# KiCad board PC110.kicad_pcb (continued)
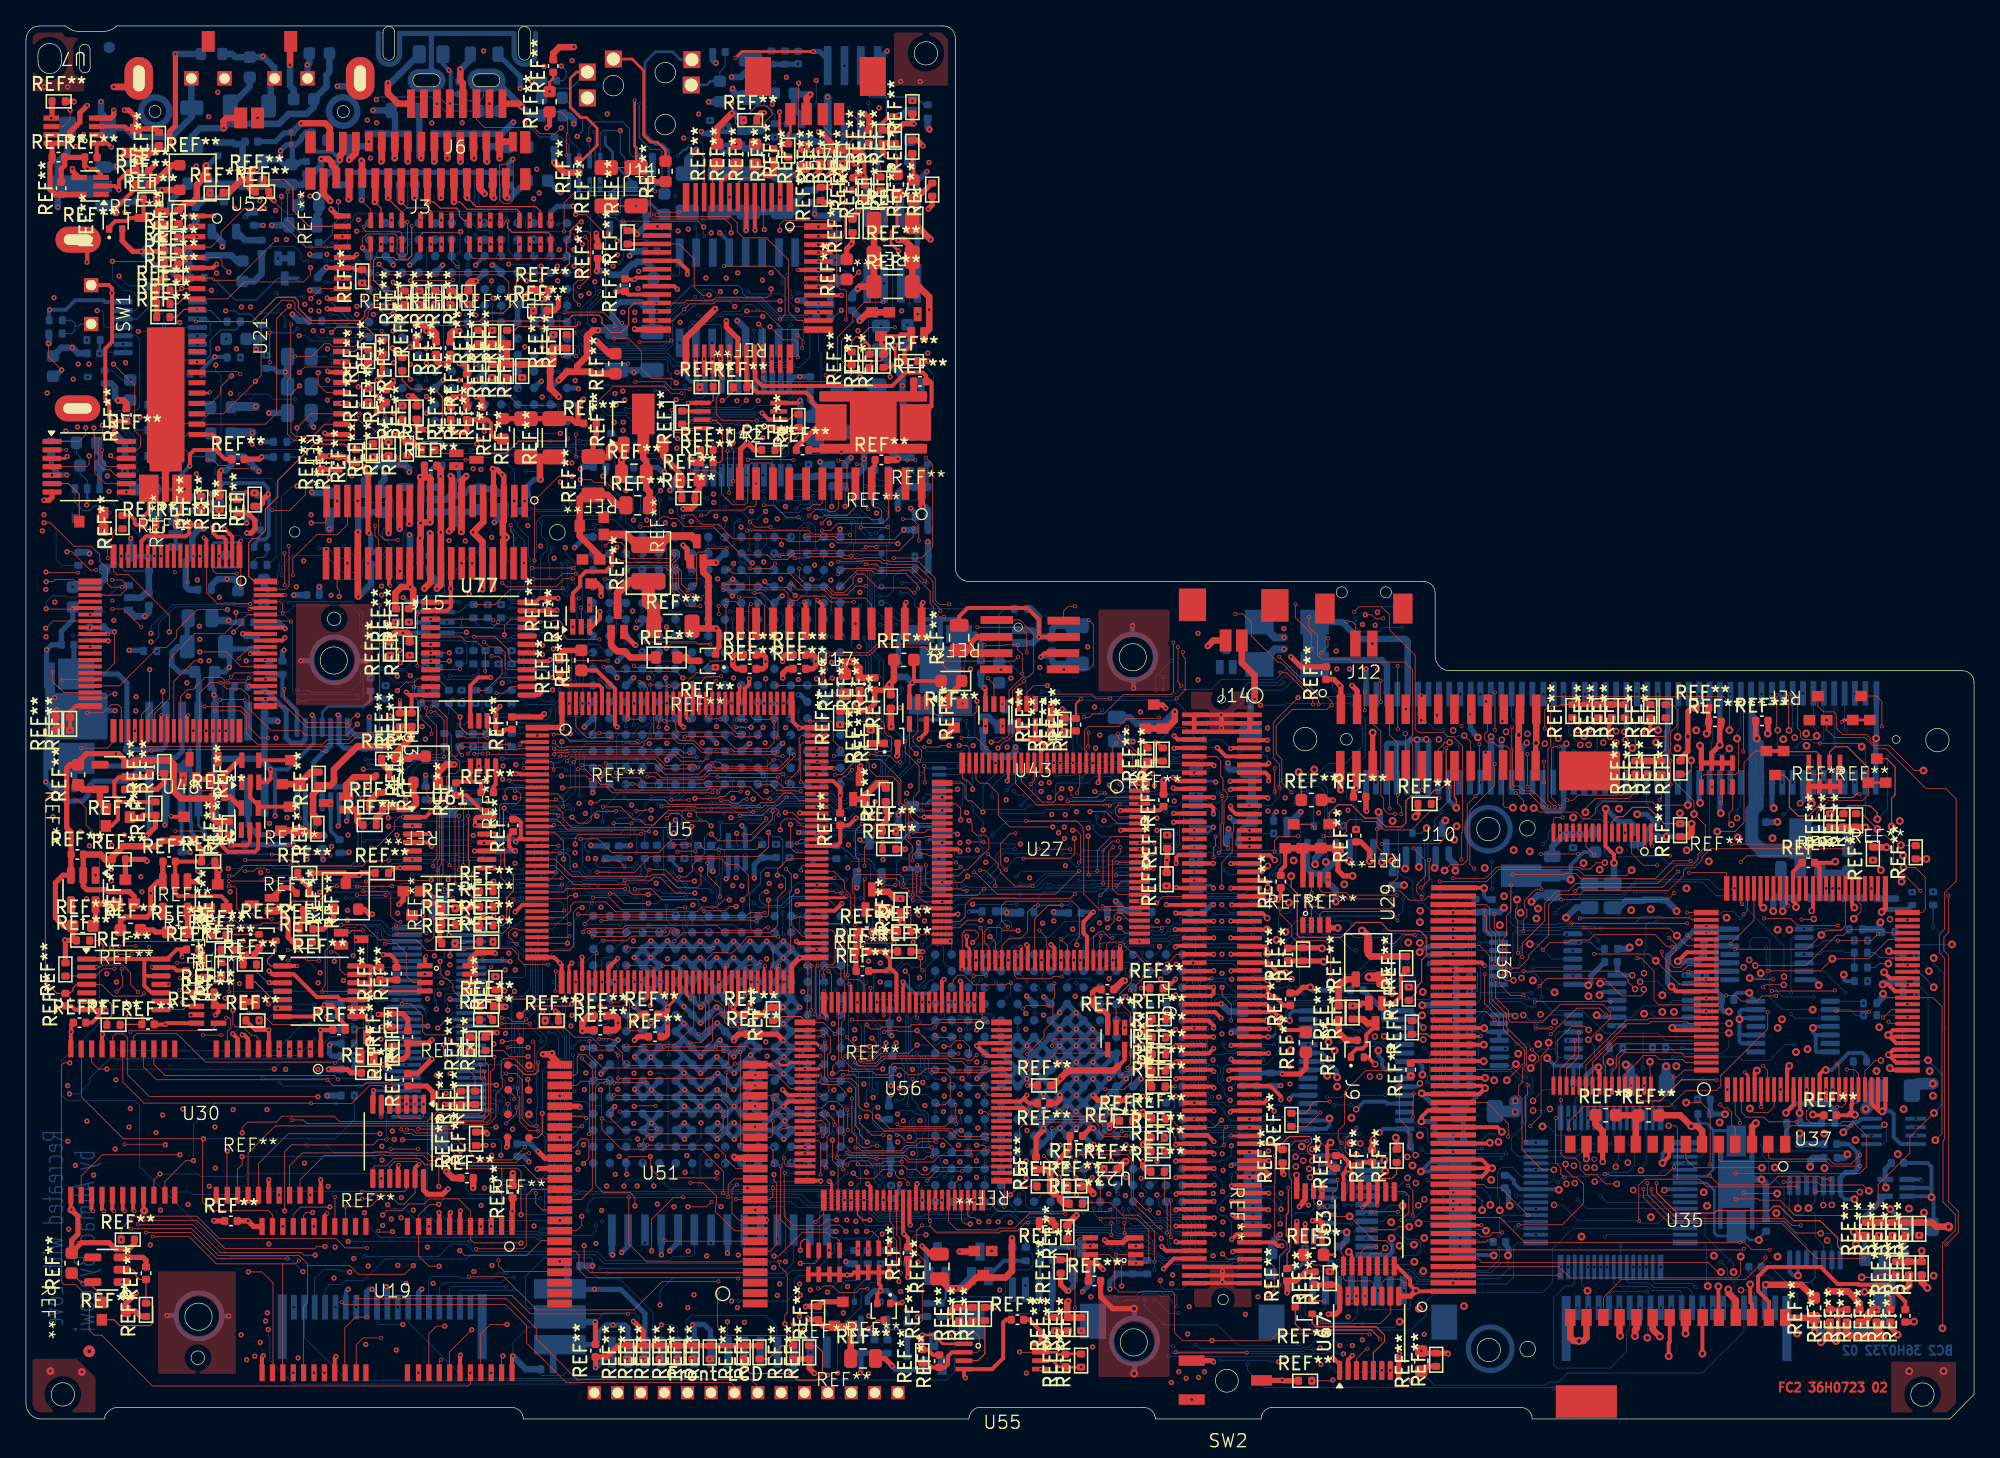
[diagram p0: board, top side]
## Routing (per net, layer and track width the routed paths; a pad name or vN(x,y) marks a point on that pad's centre or on a via; arc(x,y) is an arc through that point) (continued)
  BC2 w0.05: REF**#666.1 23.16,81.86 23.34,81.68 24.73,81.68 24.9,81.84 v1(25.56,81.84) ; v5(118.02,52.43) 117.63,52.04 J8.69 ; U23.D9 30.72,81.99 30.84,82.11 v1(30.84,82.52)
  BC2 w0.5: v3(109.33,46.12) 109.09,45.88 REF**#843.3
VGA_Vsync: length 148.9
  FC2 w0.05: v2(43.65,77.74) 43.65,77.99 45.23,79.57 49.16,79.57 49.69,79.04 v2(50.49,79.04)
  FC2 w0.08: REF**#329.1 28.98,80.05 29.67,79.36 31.47,79.36 32.07,78.76 32.07,76.03 32.5,75.6 34.92,75.6 35.23,75.29 35.23,74.94 35.74,74.43 37.02,74.43 37.95,75.36 41.56,75.36 v2(41.75,75.55)
  FC1 w0.05: v2(50.49,79.04) 50.51,79.06 50.51,79.87 50.58,79.94 50.58,83.44 51.25,84.11 51.25,86.27 52.04,87.06 52.77,87.06 52.95,86.88 v1(53.49,86.88) ; v2(43.65,77.74) 41.75,75.84 v2(41.75,75.55)
  BC1 w0.05: v11(116.88,55.86) 115.14,54.12 109.69,54.12 108.82,53.25 105.54,53.25 v11(102.47,50.18) 102.47,50.5 103.07,51.1 103.07,53.18 100.01,56.24 97.43,56.24 97.15,55.96 96.3,55.96 96.14,56.12 96.14,61.76 95.47,62.43 90.55,62.43 89.52,63.46 86.49,63.46 85.49,62.46 74.34,62.46 v11(74.32,62.48) ; v1(53.49,86.88) 53.53,86.88 54.42,87.77 54.45,87.77 54.52,87.84 56.23,87.84 56.52,88.13 56.94,88.13 57.23,87.84 60.29,87.84 62.15,85.98 63.07,85.98 63.26,85.79 63.26,80.42 63.93,79.75 64.26,79.75 65.11,78.9 65.11,77.49 65.72,76.88 65.72,72.08 66.48,71.32 68.25,71.32 68.56,71.01 68.56,69.9 68.07,69.41 67.58,69.41 66.76,68.59 66.76,65.36 67.18,64.94 67.18,64.17 67.35,64 v11(67.35,63.67) ; v11(99.42,48.09) 99.42,48.91 v11(100.31,49.8)
  BC2 w0.05: v11(74.32,62.48) 74.28,62.44 68.73,62.44 68.44,62.73 68.44,63.15 67.92,63.67 v11(67.35,63.67) ; v11(102.47,50.18) 102.09,49.8 v11(100.31,49.8)
  BC2 w0.08: v11(99.42,48.09) 99.19,47.86 REF**#833.3
YellowWire1_2: length 125.7
  FC2 w0.05: v2(53.55,47.69) 54.11,47.69 54.38,47.42 54.89,47.42 55.23,47.76 v2(55.51,47.76) ; v2(47.76,59.88) 51.61,59.88 51.78,59.71 52.7,59.71 v2(52.71,59.7) ; v2(99.71,23.61) 98.64,22.54 REF**#35.1
  FC1 w0.05: v2(52.71,59.7) 53.11,59.3 v2(53.11,57.92) 52.84,57.65 52.84,55.2 53.89,54.15 53.89,48.74 53.61,48.46 53.61,48.12 53.55,48.06 v2(53.55,47.69) ; v2(47.06,61.46) 47.47,61.46 47.76,61.17 v2(47.76,59.88) ; v2(55.51,47.76) 55.51,47.34 55.72,47.13 55.72,43.35 v1(57.11,41.96) ; v2(99.71,23.61) 100.96,23.61 101.82,22.75 105.16,22.75 106,21.91 106,19.72 106.19,19.53 v3(106.8,19.53)
  IC1 w0.05: v1(57.11,41.96) 57.7,42.55 61.9,42.55 62.98,41.47 67.55,41.47 67.91,41.11 86.15,41.11 86.22,41.18 87.74,41.18 88.05,41.49 96.06,41.49 96.94,40.61 108.21,40.61 108.39,40.43 111.36,40.43 112.82,38.98 114.17,38.98 114.24,39.05 115.08,39.05 v3(115.12,39.01)
  IC4 w0.05: v3(115.12,39.01) 115.12,38.27 110.56,33.71 110.56,21.12 108.97,19.53 v3(106.8,19.53)
YMF_AO: length 95.2
  FC2 w0.05: v2(39.06,29.09) 39.19,28.96 39.19,26.97 38.99,26.77 38.61,26.77 37.62,27.76 36.83,27.76 36.82,27.75 36.78,27.75 36.6,27.57 36.6,26.26 36.72,26.14 36.72,25.57 36.2,25.05 36.2,23.28 35.63,22.71 33.21,22.71 32.84,22.34 v2(30.22,22.34) ; v2(61.29,69.02) 61.73,69.46 64.96,69.46 65.09,69.33 65.68,69.33 65.91,69.56 65.91,70 65.66,70.25 65.39,70.25 65.14,70.5 U17.4 ; v2(28.09,20.8) v2(30.2,20.8) ; v2(51.75,50.2) 51.51,50.44 50.5,50.44 50.4,50.34 49.32,50.34 49.28,50.38 49.26,50.38 48.63,51.01 41.98,51.01 v2(41.67,50.7)
  FC2 w0.3: REF**#203.11 28.67,19.53 v2(28.7,19.56) ; REF**#288.1 65.41,73.54 65.14,73.27 U17.4
  FC1 w0.05: v2(28.7,19.56) 28.7,19.92 28.09,20.53 v2(28.09,20.8) ; v2(41.67,50.7) 40.41,50.7 39.99,50.28 39.99,38.29 39.33,37.63 39.33,32.1 38.98,31.75 38.98,30.9 39.12,30.76 39.12,29.46 39.06,29.4 v2(39.06,29.09) ; v2(30.22,22.34) 30.2,22.32 v2(30.2,20.8) ; v2(61.29,69.02) 60.96,68.69 60.96,67.05 61.31,66.7 61.31,64.45 61.88,63.88 61.88,61.63 61.57,61.32 55.29,61.32 54.26,60.29 52.31,60.29 52.14,60.12 52.14,58.13 52.4,57.87 52.4,54.84 52.55,54.69 52.55,51.77 52.1,51.32 52.1,50.54 51.76,50.2 v2(51.75,50.2)
YMF_CS#: length 98.2
  FC2 w0.05: v2(51.11,51.32) 50.67,51.32 50.39,51.6 41.71,51.6 41.65,51.54 40.78,51.54 v2(40.67,51.65) ; v2(60,68.04) 60.21,68.04 60.26,67.99 62.3,67.99 62.51,67.78 66.88,67.78 v1(67.62,68.52) ; v2(38.43,20.95) 37.44,19.96 34.8,19.96 32.72,22.04 30.06,22.04 29.8,22.3 v2(29.36,22.3) ; U17.7 61.34,70.61 61.21,70.48 60.64,70.48 60.3,70.14 v2(60.27,70.14)
  FC1 w0.05: v2(60.27,70.14) 60,69.87 v2(60,68.04) 60,64.53 60.24,64.29 60.51,64.29 61.25,63.55 61.25,62.32 60.82,61.89 54.91,61.89 54.72,61.7 52.47,61.7 51.56,60.79 51.56,57.61 51.82,57.35 51.82,53.28 51.29,52.75 51.29,51.84 51.11,51.66 v2(51.11,51.32) ; v2(38.43,20.95) 38.43,22.65 37.9,23.18 37.84,23.18 37.37,23.65 36.66,23.65 36.44,23.87 36.44,24.89 36.7,25.15 37.93,25.15 38.19,25.41 38.19,31.93 38.75,32.49 38.75,38.03 39.41,38.69 39.41,50.89 40.17,51.65 v2(40.67,51.65) ; v2(29.36,22.3) 29.36,24.21 v2(29.32,24.25)
  BC2 w0.5: v1(67.62,68.52) REF**#616.2
YMF_D0: length 65.3
  FC2 w0.05: v1(57.39,87.09) 57.4,87.08 57.4,86.73 57.07,86.4 53.13,86.4 52.93,86.2 50.89,86.2 50.69,86 v2(48.59,86) ; U17.10 57.54,73.55 57.42,73.67 55.86,73.67 55.6,73.41 55.6,70.7 55.35,70.45 54.42,70.45 53.57,71.3 53.57,72.62 53.08,73.11 51.35,73.11 v2(51.28,73.04)
  FC2 w0.08: v2(48.59,86) 46.85,86 46.42,85.57 46.42,84.6 46.41,84.59 46.41,84.29 45.85,83.73 45.08,83.73 44.36,84.45 44.36,84.83 44.12,85.07 42.12,85.07 41.66,84.61 35.55,84.61 REF**#370.2
  FC1 w0.05: v2(48.59,86) 49.44,85.15 49.44,74.28 50.68,73.04 v2(51.28,73.04)
  BC1 w0.05: v1(57.39,87.09) 59.62,87.09 59.87,86.84 59.87,85.98 60.38,85.47 v11(60.38,83.68)
  BC2 w0.05: U26.22 57.5,80.92 57.59,81.01 59.57,81.01 60.38,81.82 v11(60.38,83.68)
YMF_D1: length 137.1
  FC2 w0.05: v2(27.64,77.32) 27.64,77.17 27.31,76.84 26.51,76.84 25.75,77.6 25.48,77.6 25.3,77.42 25.3,75.62 25.1,75.42 20.62,75.42 20.13,75.91 20.13,79.98 20.38,80.23 20.38,84.31 v2(20.42,84.35) ; v2(21.51,91.03) 20.15,92.39 v2(20.15,94.55) ; v2(20.42,99.2) v2(20.42,98.2) ; v2(56.24,72.08) 56.24,70.48 56.08,70.32 55.59,70.32 55.31,70.04 52.79,70.04 52.38,69.63 v2(52,69.63)
  FC1 w0.05: v2(21.51,91.03) 19.74,89.26 19.74,85.03 v2(20.42,84.35) ; v2(20.15,94.55) 20.15,95.96 20.42,96.23 v2(20.42,98.2) ; v2(35.92,83.89) 35.92,84.43 34.73,85.62 34.73,85.81 34.33,86.21 33.97,86.21 33.77,86.01 33.77,79.83 32,78.06 30.22,78.06 29.89,77.73 28.78,77.73 28.59,77.92 27.98,77.92 27.64,77.58 v2(27.64,77.32) ; v2(52,69.63) 52,70.01 50.48,71.53 50.48,72.13 50,72.61 50,73.4 49.27,74.13 49.27,84.67 v2(48.59,85.35) 48.1,85.84 48.1,86.18 49.07,87.15 49.07,93.1 48.79,93.38 47.81,93.38 47.52,93.09 46.63,93.09 46.11,93.61 46.11,99.7 45.67,100.14 42.77,100.14 42.07,100.84 v1(42.07,104.68) 39.29,104.68 38.45,103.84 38.07,103.84 37.22,104.69 30.5,104.69 ; 30.5,104.69 30.56,104.69 ; 30.5,104.69 29.58,104.69 28.69,103.8 28.69,100.43 27.46,99.2 v2(20.42,99.2) ; v2(56.24,72.08) 56.24,74.41 56.06,74.59 56.06,78.14 v1(56.39,78.47)
  BC2 w0.05: v1(56.39,78.47) 56.85,78.93 U26.21
YMF_D2: length 79.3
  FC2 w0.05: v2(53.98,63.09) 54.06,63.01 54.65,63.01 54.99,62.67 U17.13 ; v2(43.02,94.92) 43.03,94.91 v2(47.76,94.91) ; v2(43.06,91.07) 43.29,90.84 43.29,88.18 42.87,87.76 42.55,87.76 42.15,87.36 42.15,86.33 42.6,85.88 v2(42.6,85.86) ; v1(58.09,86.15) 53.16,86.15 52.94,85.93 51.13,85.93 v2(50.71,85.51) 49.85,84.65 v2(48.59,84.65)
  FC2 w0.08: REF**#283.2 37.64,83.89 37.94,84.19 42.35,84.19 v2(42.59,84.43)
  FC1 w0.05: v2(43.06,91.07) 43.06,91.46 43.16,91.56 43.16,93.88 43.02,94.02 v2(43.02,94.92) ; v2(47.76,94.91) 47.76,94.35 48.24,93.87 48.59,93.87 49.22,93.24 49.22,87 v2(50.71,85.51) ; v2(42.6,85.86) 42.59,85.85 v2(42.59,84.43) ; v2(48.59,84.65) 49.08,84.16 49.08,73.9 49.85,73.13 49.85,72.31 50.16,72 50.16,71.27 51.04,70.39 51.04,69.94 51.69,69.29 51.69,66 52.52,65.17 53.54,65.17 53.98,64.73 v2(53.98,63.09)
  BC1 w0.05: v1(58.09,86.15) 58.6,85.64 58.6,81.79 v11(59.12,81.27)
  BC2 w0.05: U26.20 56.2,80.92 56.43,81.15 57.2,81.15 57.25,81.2 58.77,81.2 58.84,81.27 v11(59.12,81.27)
YMF_D3: length 108.8
  FC2 w0.05: v2(36.51,82.06) 34.28,82.06 34.03,82.31 34.03,84.04 33.82,84.25 31.93,84.25 31.09,85.09 29.51,85.09 v2(28.7,84.28) ; v2(57.35,68.73) 56.16,68.73 v2(55.76,69.13) ; v2(20.73,81.88) 22,81.88 22.98,82.86 23.39,82.86 23.59,82.66 25.36,82.66 v2(26.23,83.53) ; v2(56.32,62.77) 56.24,62.69 U17.14 ; v2(54.48,72.28) 54.48,74.65 54.06,75.07 54.06,75.63 54.15,75.72 v1(54.15,76.26)
  FC1 w0.05: v2(51.59,81.7) 51.59,79.19 51.67,79.11 51.67,74.67 52.36,73.98 52.36,73.06 53.14,72.28 v2(54.48,72.28) 54.68,72.28 54.87,72.09 54.87,69.47 55.21,69.13 v2(55.76,69.13) ; v2(56.32,62.77) 56.32,63.22 56.4,63.3 56.4,64.95 57.35,65.9 v2(57.35,68.73) ; v2(36.51,82.06) 40,82.06 40.62,82.68 v2(40.62,83.55) ; v2(26.23,83.53) 27.59,83.53 27.84,83.78 27.84,84.05 28.07,84.28 v2(28.7,84.28) ; v1(16.21,82.47) 16.8,81.88 v2(20.73,81.88)
  IC3 w0.05: v1(54.15,76.26) 54.15,77.03 54.08,77.1 54.08,77.14 53.67,77.55 31.63,77.55 31.02,76.94 17.9,76.94 16.22,78.62 16.22,79.97 16.15,80.04 16.13,80.02 15.68,80.02 15.68,80.06 15.44,80.3 15.44,80.63 15.45,80.63 15.67,80.85 16.22,80.85 16.22,82.46 v1(16.21,82.47)
  BC1 w0.05: v11(55.48,79.23) 54.84,79.23 54.14,78.53 54.14,76.25 v1(54.15,76.26)
  BC2 w0.05: v11(55.48,79.23) 55.48,79.87 55.55,79.93
YMF_D4: length 71.4
  FC2 w0.05: v2(48.47,94.6) 42.34,94.6 41.45,93.71 v2(41.45,91.51) ; v2(52.24,80.4) v2(52.24,81.7) ; v2(42.61,87.21) 42.63,87.21 43.49,88.07 43.49,91.31 43.27,91.53 v2(42.6,91.53) ; U17.15 57.54,62.79 56.67,63.66 v2(56.11,63.66)
  FC1 w0.05: v2(56.11,63.66) 56.11,65.07 56.38,65.34 56.38,69.01 55.88,69.51 55.49,69.51 55.35,69.65 55.35,72.11 54.64,72.82 53.37,72.82 52.61,73.58 52.61,74.1 51.93,74.78 51.93,78.85 52.24,79.16 v2(52.24,80.4) ; v2(48.47,94.6) 48.86,94.6 49.45,94.01 49.45,89.07 51.08,87.44 54.1,87.44 v1(54.67,86.87) 53.95,86.15 52.83,86.15 52.27,85.59 52.27,81.73 v2(52.24,81.7) ; v2(42.6,91.53) 41.47,91.53 v2(41.45,91.51) ; v2(42.61,87.21) 42.25,86.85 v2(42.25,83.71)
  BC1 w0.05: v11(54.9,80.82) 54.22,81.5 54.22,82.27 53.5,82.99 53.5,85.7 v1(54.67,86.87)
  BC2 w0.05: U26.18 54.9,79.94 v11(54.9,80.82)
YMF_D5: length 87.8
  FC2 w0.05: v1(52.2,91.86) 51.75,92.31 v2(45.99,92.31) ; v2(52.89,81.7) 52.89,80.21 53.05,80.05 53.22,80.05 53.52,79.75 53.52,79.05 53.16,78.69 53.16,77.43 53.67,76.92 v2(56.29,76.92) ; v2(45.34,84.21) 45.34,84.43 44.47,85.3 v2(41.53,85.3)
  FC2 w0.3: v2(58.92,62.78) 58.79,62.65 U17.16
  FC1 w0.05: v2(45.34,84.21) 45.34,85.81 45.99,86.46 v2(45.99,92.31) ; v2(58.92,62.78) 58.92,63.11 58.68,63.35 58.68,63.89 58.58,63.99 58.58,64.68 58.59,64.69 58.59,69.43 57.94,70.08 57.94,73.31 56.29,74.96 v2(56.29,76.92) ; v2(41.53,85.3) 41.53,84.89 41.06,84.42 37.95,84.42 35.91,82.38 v2(35.91,80.25) ; v1(52.2,91.86) 52.2,90.29 52.95,89.54 54.15,89.54 55.23,88.46 55.23,85.96 55.06,85.79 55.06,85.52 54.71,85.17 53.68,85.17 52.89,84.38 v2(52.89,81.7)
  BC1 w0.05: v11(58.93,84.3) 58.92,84.31 58.92,86.44 v11(58.94,86.46) ; v11(52.23,91.17) 52.55,90.85 53.03,90.85 54.93,88.95 57.53,88.95 58.31,88.17 v11(58.65,88.17)
  BC2 w0.05: v11(58.94,86.46) 58.94,86.98 58.65,87.27 v11(58.65,88.17) ; v11(58.93,84.3) 58.64,84.01 58.64,81.66 58.39,81.41 56.35,81.41 56.27,81.33 54.58,81.33 54.25,81 54.25,79.93 ; v1(52.2,91.86) 52.2,91.2 v11(52.23,91.17)
YMF_D6: length 104
  FC2 w0.05: v2(40.71,78.11) 37.93,78.11 37.04,79 REF**#189.1 ; v2(59.11,73.9) 59.08,73.93 v2(55.62,73.93) ; v2(48.73,93) 50.31,93 v2(50.32,93.01) ; v2(43.43,81.33) v2(46.38,81.33)
  FC2 w0.3: U17.17 60.04,62.85 v2(59.92,62.97) ; v2(53.67,80.21) 53.49,80.39 v2(53.49,81.7)
  FC1 w0.05: v2(59.92,62.97) 59.92,63.41 59.27,64.06 59.27,64.6 58.96,64.91 58.96,69.73 59.11,69.88 v2(59.11,73.9) ; v2(46.38,81.33) 46.38,88.4 47.46,89.48 47.46,91.68 47.94,92.16 48.24,92.16 48.73,92.65 v2(48.73,93) ; v2(40.71,78.11) 41.87,78.11 43.43,79.67 v2(43.43,81.33) ; v2(53.49,81.7) 55.24,83.45 57.68,83.45 58.47,84.24 58.47,88.3 56.83,89.94 53.48,89.94 52.78,90.64 v1(52.78,91.4) 52.78,92.09 51.86,93.01 v2(50.32,93.01) ; v2(55.62,73.93) 53.5,73.93 52.29,75.14 52.29,78.45 52.68,78.84 52.68,79.22 v2(53.67,80.21)
  IC4 w0.05: v1(50.09,78.55) 50.61,78.55 51.03,78.97 51.03,86.26 51.84,87.07 52.16,87.07 52.16,87.09 52.78,87.71 v1(52.78,91.4)
  BC1 w0.05: v11(51.01,82.04) 50.77,81.8 v11(50.77,79.63)
  BC2 w0.05: v1(50.09,78.55) 50.57,78.55 50.76,78.74 50.76,79.62 v11(50.77,79.63) ; U26.16 53.6,84.19 53.45,84.33 51.25,84.33 51.01,84.09 v11(51.01,82.04)
YMF_D7: length 139.5
  FC2 w0.05: v2(43.35,94.3) 47.91,94.3 48.12,94.09 48.12,92.67 48.32,92.47 53.84,92.47 54.32,91.99 v1(54.32,91.41) ; v2(42.38,81.91) 42.36,81.93 v2(41.34,81.93) ; v2(59.5,69.49) 58.55,69.49 57.62,70.42 v2(56.83,70.42)
  FC2 w0.3: U17.18 61.34,62.73 v2(60.97,63.1)
  FC1 w0.05: v2(42.38,81.91) 43.13,82.66 43.13,85.03 44.35,86.25 44.35,90.15 43.35,91.15 v2(43.35,94.3) ; v2(56.83,70.42) 56.79,70.42 55.64,71.57 55.64,72.16 54.15,73.65 53.47,73.65 52.12,75 52.12,78.63 52.44,78.95 52.44,79.57 54.19,81.32 v2(54.19,81.7) 54.67,82.18 55.57,82.18 56.6,83.21 57.85,83.21 58.64,84 58.64,88.91 57.04,90.51 54.78,90.51 54.32,90.97 v1(54.32,91.41) ; v2(59.5,69.49) 59.5,67.2 59.62,67.08 59.62,66.1 59.2,65.68 59.2,65.07 59.47,64.8 59.47,64.6 v2(60.97,63.1) ; v2(41.34,81.93) 40.44,81.03 39,81.03 v2(38.22,80.25)
  IC4 w0.05: v1(54.32,91.41) 54.32,96.17 58.57,100.42 v1(58.57,103.39)
  BC1 w0.05: v11(64.87,101.41) 59.39,101.41 58.57,102.23 v1(58.57,103.39) ; v11(63.77,77.81) 62.3,79.28 60.33,79.28 60.05,79 59.51,79 v11(59.27,79.24) ; v11(65.63,77.82) 65.63,78.73 65.23,79.13 65.23,84.54 66.58,85.89 v11(68.05,85.89) ; v11(52.95,79.93) 53.19,79.69 55.87,79.69 57.19,78.37 v11(57.97,78.37)
  BC2 w0.05: v11(63.77,77.81) 65.62,77.81 v11(65.63,77.82) ; v11(64.87,101.41) 64.87,101.03 64.99,100.91 64.99,96.65 65.11,96.53 65.11,95.45 65.34,95.22 67.98,95.22 68.05,95.15 v11(68.05,85.89) ; v11(57.97,78.37) 57.98,78.38 58.6,78.38 59.27,79.05 v11(59.27,79.24)
YMF_IC#: length 194.8
  FC2 w0.05: v2(30.62,24.25) 30.62,23.31 30.45,23.14 28.83,23.14 28.67,23.3 REF**#203.4 ; v2(41.17,51.07) 41.71,51.07 41.82,51.18 49.96,51.18 50.45,50.69 52.2,50.69 v2(52.43,50.92) ; v2(30.26,19.64) 30.05,19.85 28.42,19.85 28.02,19.45 REF**#203.10 ; v2(38.81,30.46) 38.8,30.47 v2(36.63,30.47) ; v2(25.89,16.98) 26.39,16.98 26.67,17.26 28.01,17.26 28.71,16.56 29.13,16.56 29.97,17.4 REF**#203.13 ; v2(61.3,68.46) 61.96,68.46 62.52,69.02 65.99,69.02 66.44,69.47 U17.3 ; v2(35.33,26.77) 35.33,26.28 35.42,26.19 35.42,23.59 35.07,23.24 32.41,23.24 32.29,23.12 v2(31.59,23.12) ; v2(7.33,13.82) 7.33,14.66 8.3,15.63 13.17,15.63 14.89,13.91 23.86,13.91 24.59,13.18 v2(26.27,13.18)
  FC2 w0.3: v2(30.26,19.64) 29.97,19.35 REF**#203.13
  FC1 w0.05: v2(25.89,16.98) 25.89,16.65 25.72,16.48 25.72,15.34 26.27,14.79 v2(26.27,13.18) ; v2(61.3,68.46) 61.29,68.45 61.29,67.12 61.56,66.85 61.56,64.55 62.06,64.05 62.06,61.33 61.89,61.16 55.46,61.16 54.41,60.11 52.47,60.11 52.33,59.97 52.33,58.22 52.6,57.95 52.6,55.03 52.74,54.89 52.74,51.23 v2(52.43,50.92) ; v2(38.81,30.46) 38.81,31.88 39.12,32.19 39.12,37.77 39.8,38.45 39.8,50.44 40.22,50.86 40.96,50.86 v2(41.17,51.07) ; v2(35.33,26.77) 35.36,26.8 35.36,29.72 36.11,30.47 v2(36.63,30.47) ; v2(2.01,72.73) 2.5,72.24 2.5,66.27 3.19,65.58 3.19,58.1 1.86,56.77 1.86,49.74 2.02,49.58 2.02,46.95 1.74,46.67 1.74,45.86 1.97,45.63 1.97,35.89 2.65,35.21 2.65,21.97 v1(3.22,21.4) 2.69,20.87 2.69,17.94 6.81,13.82 v2(7.33,13.82) 7.33,12.32 7.39,12.26 7.39,10.58 v2(7.42,10.55) ; v2(30.26,19.64) 30.26,20.15 31.59,21.48 v2(31.59,23.12) 30.62,24.09 v2(30.62,24.25)
YMF_M: length 54.8
  FC2 w0.3: v1(69.09,62.91) 68.99,62.81 U17.24
  FC2 w0.4: REF**#197.2 35.97,41.38 v1(36.02,41.43)
  IC1 w0.05: v1(36.02,41.43) 36.11,41.52 47.16,41.52 48.79,43.15 65.84,43.15 65.89,43.1 v1(66.02,43.1)
  IC4 w0.05: v1(66.02,43.1) 66.02,45.28 65.61,45.69 65.61,46.98 65.99,47.36 65.99,48.68 66.89,49.58 66.89,50.43 66.63,50.69 66.63,52.99 69.1,55.46 69.1,62.9 v1(69.09,62.91)
YMF_MO: length 56.6
  FC2 w0.05: v2(59.44,83.52) 59.79,83.17 v2(59.79,82.55) ; U17.21 65.14,62.76 64.64,63.26 62.11,63.26 61.48,63.89 59.46,63.89 v2(58.93,64.42)
  FC1 w0.05: v2(59.44,83.52) 59.42,83.54 59.42,84.83 59.87,85.28 59.87,91.41 61.58,93.12 62.14,93.12 62.68,93.66 v1(62.68,94.39) ; v2(58.93,64.42) 58.75,64.6 58.75,69.9 58.89,70.04 58.89,73.23 58.76,73.36 58.76,74.11 59.18,74.53 59.18,77.27 57.07,79.38 57.07,82.21 57.41,82.55 v2(59.79,82.55)
  BC1 w0.05: v11(58.23,87.53) 59.99,87.53 v11(60,87.54) ; v1(62.68,94.39) 61.93,94.39 61.66,94.12 61.66,92.91 60.68,91.93 v11(60.68,90.4)
  BC2 w0.05: v11(60,87.54) 60,89.72 v11(60.68,90.4) ; v11(58.23,87.53) 58.23,88.04 58,88.27 U33.7
YMF_RD#: length 317.8
  FC2 w0.05: v2(27.38,23.29) 27.37,23.3 ; v2(27.76,21.54) 27.16,21.54 26.74,21.12 20.44,21.12 19.92,20.6 v1(19.92,16.04) ; v2(42.19,50.61) 42.44,50.86 48.45,50.86 49.21,50.1 51.01,50.1 v2(51.1,50.19) ; v2(38.76,20.48) 38.47,20.48 37.75,19.76 33.7,19.76 31.6,21.86 29.87,21.86 29.74,21.99 29.23,21.99 v2(28.91,22.31) ; v2(60.32,69.61) 60.79,70.08 61.69,70.08 61.85,69.92 62.28,69.92 62.59,70.23 U17.6
  FC2 w0.3: 27.37,23.3 REF**#203.6
  FC1 w0.05: v2(51.1,50.19) 51.36,50.45 51.36,51.26 51.47,51.37 51.47,52.57 52.03,53.13 52.03,57.46 51.76,57.73 51.76,60.59 52.67,61.5 54.87,61.5 55.05,61.68 61.09,61.68 61.49,62.08 61.49,63.63 60.95,64.17 60.95,64.99 60.25,65.69 60.25,66.19 60.32,66.26 v2(60.32,69.61) ; v2(28.91,22.31) 28.84,22.31 27.86,23.29 v2(27.38,23.29) 27.38,22.9 27.76,22.52 v2(27.76,21.54) ; v2(42.19,50.61) 41.84,50.26 40.37,50.26 40.21,50.1 40.21,38.15 39.52,37.46 39.52,31.96 39.2,31.64 39.2,31 39.32,30.88 39.32,30.09 39.37,30.04 39.37,28.96 39.13,28.72 39.13,27.75 38.98,27.6 38.48,27.6 38.37,27.49 38.37,26.96 38.58,26.75 38.88,26.75 39.13,26.5 39.13,25.67 38.42,24.96 36.93,24.96 36.67,24.7 36.67,24.01 36.8,23.88 37.39,23.88 37.7,23.57 37.77,23.57 38.76,22.58 v2(38.76,20.48)
  IC1 w0.05: v1(19.92,16.04) 19.69,16.04 19.61,16.12 10.39,16.12 v1(10.37,16.1) ; v1(1.39,69.69) 1.91,69.69 2.09,69.51 2.09,65.18 2.82,64.45 2.82,60.49 2.62,60.29 1.55,60.29 v1(1.54,60.28)
  IC2 w0.05: v1(10.37,16.1) 8.41,18.06 4.06,18.06 2.96,19.16 2.96,32.92 3.54,33.5 3.54,59.29 2.55,60.28 v1(1.54,60.28)
  IC3 w0.05: v1(1.39,69.69) 1.41,69.71 1.95,69.71 2.03,69.79 2.03,78.59 2.51,79.07 2.51,79.08 2.88,79.45 4.36,79.45 6.04,81.13 6.04,94.6 11.03,99.59 11.03,104.02 12.69,105.68 19.24,105.68 19.96,104.96 19.96,104 20.17,103.79 20.17,103.23 20.2,103.2 20.24,103.2 20.91,102.53 21.19,102.53 25.23,98.49 38.34,98.49 40.54,100.69 40.54,104.38 41.41,105.25 42.88,105.25 43.48,105.85 58.18,105.85 60.87,103.16 v1(60.87,103.15)
  BC1 w0.05: v11(60.08,91.86) 60.08,90.27 61,89.35 v11(61.32,89.35) ; v11(65.56,80.91) 65.56,79.11 68.03,76.64 v11(68.31,76.64) ; v11(63.42,88.13) 63.45,88.1 63.45,82.46 v11(64.35,81.56) ; v11(56.86,94.9) 57.29,94.9 60.41,98.02 60.41,100.98 ; v11(56.88,93.68) v11(60.08,93.68)
  BC2 w0.05: v1(60.87,103.15) 60.87,101.44 60.41,100.98 ; v11(61.32,89.35) 61.32,89.12 61.92,88.52 63.03,88.52 v11(63.42,88.13) ; v11(64.35,81.56) 65,80.91 v11(65.56,80.91) ; v11(56.88,93.68) 56.88,94.88 v11(56.86,94.9) ; v11(60.08,91.86) v11(60.08,93.68)
YMF_SH: length 47.7
  FC2 w0.05: v2(64.69,64.18) 63.91,64.18 63.25,63.52 62.15,63.52 61.61,64.06 59.92,64.06 58.81,65.17 54.44,65.17 v2(54.13,65.48)
  FC1 w0.05: v2(63.89,61.28) 63.89,61.74 64.69,62.54 v2(64.69,64.18) ; v2(54.13,65.48) 52.74,65.48 52.32,65.9 52.32,65.92 51.89,66.35 51.89,67.55 52.35,68.01 52.35,71.44 51.57,72.22 51.57,73.17 51.32,73.42 50.75,73.42 49.69,74.48 49.69,75.04 v1(50.2,75.55)
  IC4 w0.05: v1(50.2,75.55) 51.24,76.59 51.24,84.99 52.48,86.23 52.78,86.23 53.05,86.5 53.05,88.54 53.43,88.92 v1(53.43,91.41)
  BC2 w0.3: v1(53.43,91.41) 54.17,90.68 U33.4
YMF_SY: length 37.3
  FC2 w0.3: v1(67.8,62.92) 67.69,62.81 U17.23
  IC1 w0.05: v1(67.8,62.92) 67.8,65.46 65.24,68.02 59.01,68.02 58.5,68.53 v1(58.5,70.32)
  IC4 w0.05: v1(58.07,85.49) 56.42,85.49 55.94,85.01 55.94,72.96 58.5,70.4 v1(58.5,70.32)
  BC1 w0.05: v11(57.97,84.29) 57.97,84.87 58.07,84.97 v1(58.07,85.49)
  BC2 w0.05: U33.10 57.98,84.29 v11(57.97,84.29) 58.02,84.25
YMF_VSS: length 225.2
  FC2 w0.08: 2.02,98.23 U7.8
  FC2 w0.3: v1(78.16,58.71) 78.47,59.02 U43.6
  FC2 w0.4: v1(66.5,56.59) 66.07,56.16 REF**#432.1 65.37,55.12 64.82,54.57 63.37,54.57 v1(63.36,54.56) 62.74,54.56 REF**#400.2 ; v1(4.72,101.22) 4.15,100.65 4.15,99.93 3.39,99.17 3.39,98.64 3.05,98.3 U7.8 ; 2.02,98.23 REF**#374.1 2.02,96.92 1.85,96.75 1.85,94.75 2.24,94.36 REF**#228.1 4.07,94.36 REF**#73.5
  FC2 w0.5: REF**#442.2 68.4,92.17 v1(69.68,90.89) ; REF**#143.1 66.85,58.5 66.85,56.94 v1(66.5,56.59) 66.62,56.47 REF**#261.2 ; v1(70.53,52.55) 70.76,52.55 REF**#7.2 ; v1(69.08,70.31) 68.99,70.4 U17.1
  IC1 w0.5: v1(70.53,52.55) 69.42,53.66 66.5,53.66 65.92,54.24 65.92,56 66.5,56.58 v1(66.5,56.59) ; v1(36.76,50.32) 36.76,51.23 37.43,51.9 38.76,51.9 41.51,54.65 63.27,54.65 v1(63.36,54.56)
  IC1 w0.7: v1(78.16,58.71) 78.06,58.81 71.67,58.81 70.48,57.62 70.48,55.47 69.82,54.81 v1(67.34,54.81)
  IC1 w1: v1(4.72,101.22) 6,99.94 7.04,99.94 7.66,99.32 12.87,99.32 14.18,98.01 16.6,98.01 17.31,98.72 40.28,98.72 41.65,97.35 41.65,96.61 45.84,92.42 49.08,92.42 49.6,92.94 58.97,92.94 60.48,91.43 60.48,89.96 61.16,89.28 65.11,89.28 65.9,88.49 68.58,88.49 69.27,89.18 69.27,90.48 v1(69.68,90.89)
  IC2 w0.5: v1(67.45,85.39) 67.45,87.3 69.68,89.53 v1(69.68,90.89)
  IC4 w0.5: v1(67.51,79.62) 67.64,79.49 68.07,79.49 ; 68.07,79.49 68.07,84.77 v1(67.45,85.39) ; 68.07,79.49 68.07,71.95 69.08,70.94 v1(69.08,70.31) 69.08,69.77 68.21,68.9 68.21,64.82 67.15,63.76 67.15,62.63 67.64,62.14 67.64,55.11 v1(67.34,54.81)
  IC4 w1: v1(66.5,56.59) 66.42,56.67 66.42,63 66.42,61.9 65.76,62.56 65.76,68.73 v1(67.16,70.13)
  BC2 w0.3: REF**#530.2 79.04,58.74 79.01,58.71 v1(78.16,58.71)
  BC2 w0.4: 62.72,55.26 63.36,54.62 v1(63.36,54.56)
  BC2 w0.5: v1(69.08,70.31) 69.21,70.31 69.46,70.06 REF**#809.1 69.46,68.55 REF**#616.1 ; v1(67.16,70.13) 67.16,71.33 67.65,71.82 REF**#459.2 ; REF**#674.1 REF**#727.1 69.33,77.15 68.6,77.88 67.93,77.88 67.51,78.3 v1(67.51,79.62) 67.51,80.31 65.85,81.97 REF**#665.2 ; REF**#839.2 79.26,58.19 79.04,58.4 REF**#530.2
YMF_VSS_Res: length 19.2
  FC2 w0.05: v1(71.1,51.9) 70.48,51.9 70.36,51.78 v2(69.19,51.78)
  FC2 w0.5: v2(66.64,53.36) 66.62,53.38 REF**#261.1
  FC1 w0.05: v2(66.64,53.36) 67.64,53.36 68.31,52.69 68.31,52.25 68.58,51.98 68.99,51.98 v2(69.19,51.78)
  BC1 w0.05: v1(71.1,51.9) 71.1,52.81 70.82,53.09 62.39,53.09 61.92,53.56 v11(60.91,53.56)
  BC2 w0.05: v11(60.91,53.56) 60.83,53.56 60.4,53.99 60.18,53.99
YMF_WR#: length 103.7
  FC2 w0.05: v2(31.26,19.58) 30.78,19.58 30.28,20.08 28.33,20.08 27.75,19.5 26.87,19.5 26.72,19.35 REF**#203.8 ; v2(51.65,51) 50.53,51 50.13,51.4 41.8,51.4 41.75,51.35 40.8,51.35 v2(40.68,51.23) ; v2(31.94,23.51) 34.93,23.51 35.24,23.82 35.24,26 35.02,26.22 v2(35.02,27.35) ; v2(38.53,30.82) 38.34,30.63 37.46,30.63 37.18,30.91 v2(36.66,30.91) ; U17.5 63.89,70.28 63.25,69.64 61.52,69.64 61.37,69.49 v1(60.85,69.49)
  FC1 w0.05: v2(31.26,19.58) 31.52,19.84 31.52,20.58 31.94,21 v2(31.94,23.51) ; v2(40.68,51.23) 40.2,51.23 39.62,50.65 39.62,38.58 38.92,37.88 38.92,32.32 38.63,32.03 38.63,30.92 v2(38.53,30.82) ; v2(51.65,51) 51.62,51.03 51.62,52.4 52.19,52.97 52.19,57.69 51.95,57.93 51.95,60.31 52.14,60.5 54.19,60.5 55.18,61.49 61.34,61.49 61.68,61.83 61.68,63.76 61.14,64.3 61.14,66.49 60.65,66.98 60.65,68.85 60.85,69.05 v1(60.85,69.49) ; v2(35.02,27.35) 35.19,27.52 35.19,29.99 36.11,30.91 v2(36.66,30.91)
  BC1 w0.05: v11(66.55,71.9) 68.31,73.66 v11(68.31,75.66) ; v11(64.61,71.88) 64.61,69.05 64.2,68.64 63.42,68.64 63.32,68.74 63.32,68.96 62.61,69.67 61.44,69.67 61.26,69.49 v1(60.85,69.49)
  BC2 w0.05: v11(66.55,71.9) 64.63,71.9 v11(64.61,71.88)
YMFDAC_2Buff: length 42.2
  FC2 w0.05: v2(58.08,84.72) 58.47,85.11 58.47,87.89 57.52,88.84 v2(53.77,88.84)
  FC1 w0.05: v2(51.91,79.52) 51.91,80.88 52.38,81.35 52.92,81.35 53.22,81.65 53.22,82.19 54.69,83.66 57.54,83.66 58.08,84.2 v2(58.08,84.72) ; v2(53.77,88.84) 51.31,88.84 49.76,90.39 49.76,97.81 v1(50.66,98.71)
  BC1 w0.05: v11(52.14,92.37) 51.61,92.37 51.58,92.34 v11(51.58,91.81)
  BC2 w0.05: 51.62,89.88 51.62,91.77 v11(51.58,91.81) 51.67,91.73 ; v11(52.14,92.37) 52.14,98.25 51.68,98.71 v1(50.66,98.71)
YMFDAC_MP: length 14.9
  FC2 w0.08: REF**#321.2 58.74,77 59.16,77.42 REF**#131.2
  FC2 w0.3: REF**#321.2 57.22,77 v1(56.7,77.52)
  BC1 w0.05: v11(50.35,82.93) 50.52,82.93 51.28,82.17 51.28,81.86 50.97,81.55 50.97,80.44 51.05,80.36 51.05,79.47 50.91,79.33 v11(50.91,77.77)
  BC2 w0.05: v1(56.7,77.52) 56.55,77.52 56.48,77.59 51.09,77.59 v11(50.91,77.77)
YMFDAC_RB: length 56.9
  FC2 w0.08: REF**#282.2 63.6,83.07 63.93,83.4 64.27,83.4 64.98,84.11 66.91,84.11 v2(66.92,84.12)
  FC1 w0.05: v1(65.71,101.03) 67.26,101.03 67.76,100.53 67.76,99.81 68.21,99.36 68.99,99.36 69.36,98.99 69.65,98.99 70.07,98.57 70.07,96.26 67.78,93.97 67.78,84.98 v2(66.92,84.12)
  BC1 w0.05: v11(61.01,89.81) 61,89.82 61,91.91 63.13,94.04 63.13,95.14 v11(63.09,95.18) ; v11(63.39,101.04) 65.7,101.04 v1(65.71,101.03) ; v11(53.9,81.4) 52.85,82.45 v11(52.85,82.93) ; v11(56.07,83.87) 56.52,83.87 56.87,84.22 56.87,84.46 57.21,84.8 57.21,85.87 58.09,86.75 59.43,86.75 v11(59.44,86.76)
  BC2 w0.05: v11(56.07,83.87) 56.08,83.86 56.08,81.6 55.98,81.5 54.27,81.5 54.17,81.4 v11(53.9,81.4) ; v11(59.44,86.76) 60.24,86.76 60.72,87.24 60.72,87.3 61.01,87.59 v11(61.01,89.81) ; v11(63.09,95.18) 63.62,95.71 63.62,100.55 63.39,100.78 v11(63.39,101.04)
